# Altium PCB waffling80-MXHS.PcbDoc (part 4 of 4)
Units mm, origin at the board's own origin, x right, y up, seen from the top; angles counter-clockwise.
Board outline 343.71 x 124.25 mm, 2 copper layers (Component Side, Bottom Layer), stack 1.171 mm thick; 236 components, 142 nets, 2180 pads, 184 vias.
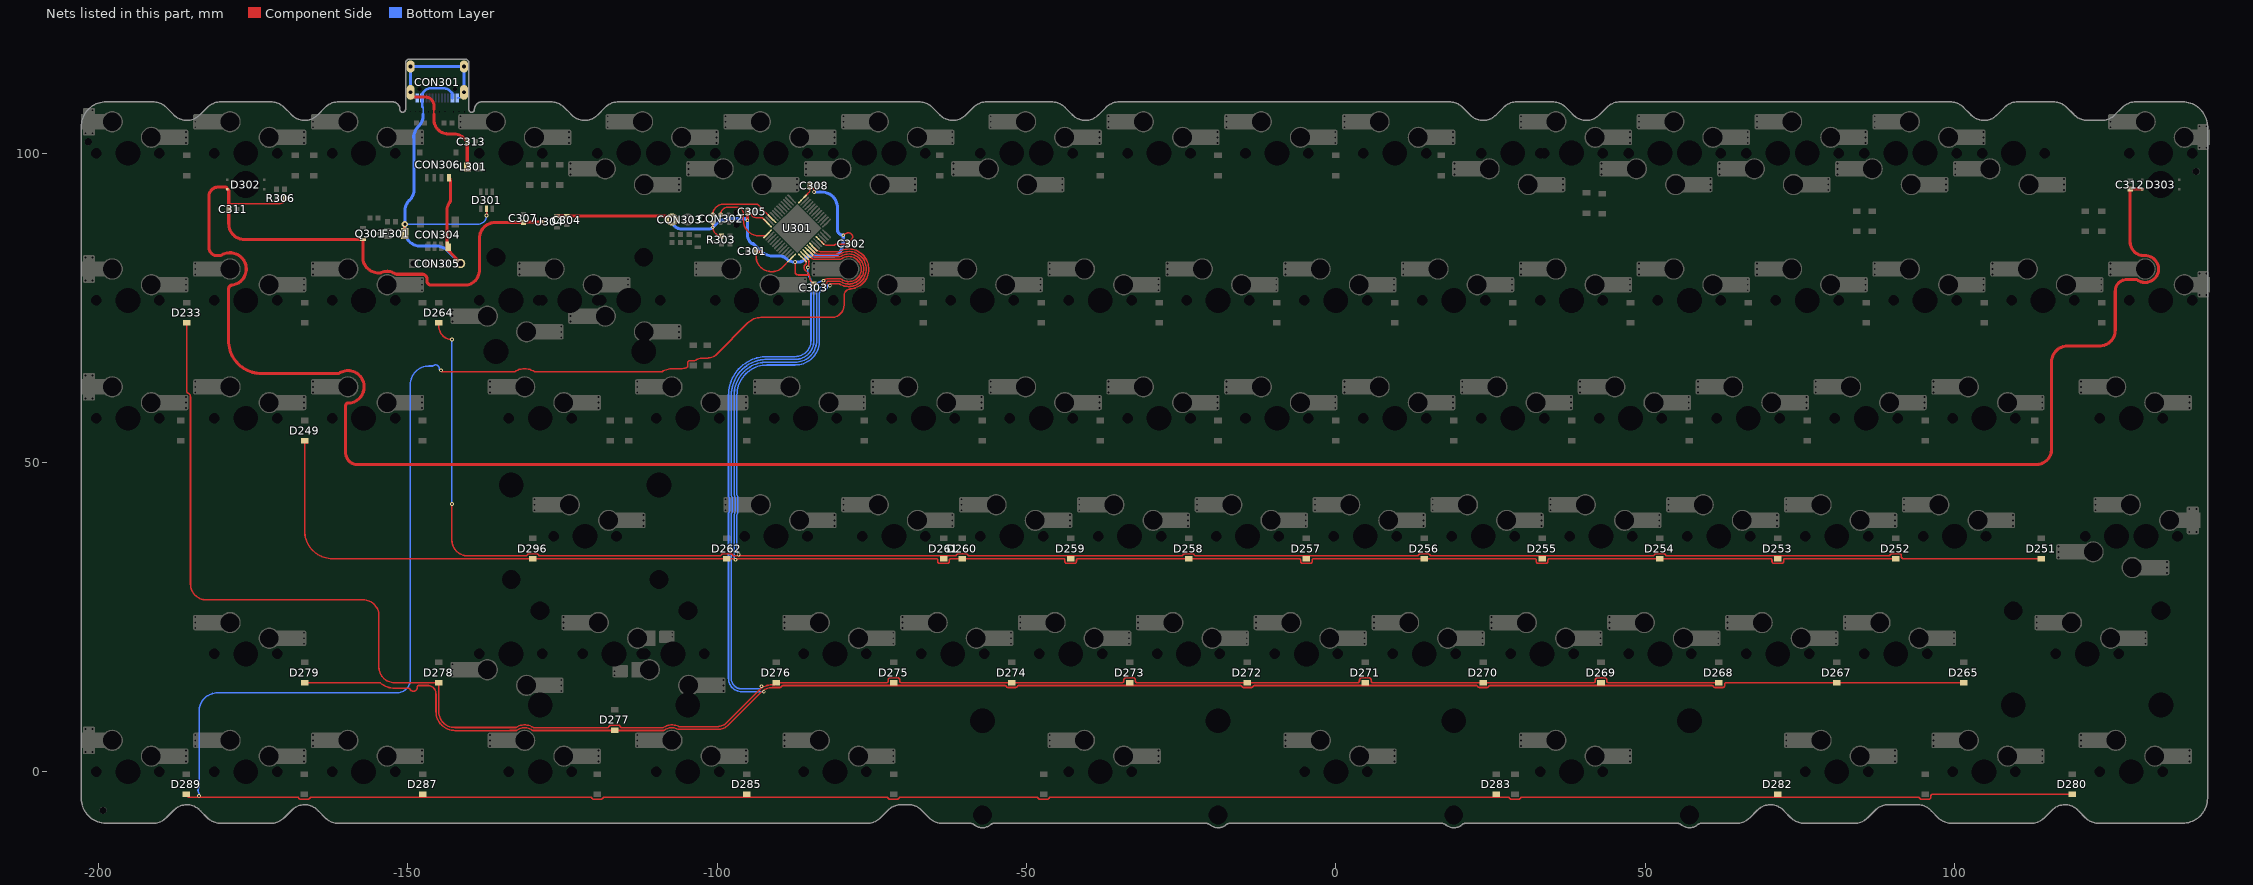
[diagram p4: the nets of this part, all layers, seen from the top]

## Via types
v1: diameter 0.6, hole 0.3, Component Side to Bottom Layer, tented both sides, 158 vias
v2: diameter 0.6, hole 0.3, Component Side to Bottom Layer, tented bottom, 25 vias
v3: diameter 1, hole 0.5, Component Side to Bottom Layer, tented both sides, 1 vias

## Nets (pads, with @x,y where several pads share a name; then routed paths per layer and width w, separated by ;. In a path a pad name is that pad's centre, name@x,y a point inside that pad or via, vN(x,y) a via of type N, cw(c..) or ccw(c..) an arc to the next point about the centre after c; other vN are vias at no path point) (continued)
PC13: D265.2 D267.2 D269.2 D271.2 D273.2 D275.2 D277.2 D279.2 U301.2 | length 364.1
  Component Side w0.254: D279.2@-166.688,14.415 -154.574,14.415 cw(c-154.575,14.161) -154.409,14.353 ccw(c-152.146,16.955) -152.146,13.507 -149.904,13.507 cw(c-149.905,13.253) -149.679,13.37 ccw(c-149.122,13.658) -148.496,13.694 cw(c-148.243,13.707) -148.244,13.961 -146.67,13.961 cw(c-146.671,13.707) -146.642,13.959 ; -146.642,13.959 cw(c-146.812,12.612) -145.454,12.612 -145.454,9.702 ccw(c-142.46,9.702) -142.667,6.715 cw(c-142.682,6.461) -142.631,6.71 ccw(c-142.113,9.196) -142.113,6.656 -133.782,6.656 ccw(c-133.783,6.91) -133.747,6.659 cw(c-133.509,5.08) -133.509,6.677 -132.501,6.677 ccw(c-132.503,6.931) -132.352,6.727 cw(c-131.128,5.079) -129.904,6.727 ccw(c-129.754,6.931) -129.767,6.678 ccw(c-129.738,7.295) -129.738,6.677 -108.689,6.677 ccw(c-108.69,6.931) -108.539,6.727 cw(c-107.315,5.079) -106.345,6.888 ccw(c-106.226,7.112) -106.227,6.858 -99.97,6.858 ccw(c-99.97,9.398) -98.174,7.602 -92.887,12.889 cw(c-91.091,11.093) -91.091,13.633 -89.878,13.633 ccw(c-89.878,13.96) -89.583,13.819 cw(c-89.355,13.707) -89.356,13.961 -53.52,13.961 cw(c-53.521,13.707) -53.292,13.818 ccw(c-52.998,13.96) -52.998,13.633 -51.778,13.633 ccw(c-51.778,13.96) -51.483,13.818 cw(c-51.255,13.707) -51.256,13.961 -15.42,13.961 cw(c-15.421,13.707) -15.192,13.818 ccw(c-14.898,13.96) -14.898,13.633 -13.678,13.633 ccw(c-13.678,13.96) -13.383,13.819 cw(c-13.155,13.707) -13.156,13.961 22.68,13.961 cw(c22.679,13.707) 22.908,13.818 ccw(c23.202,13.96) 23.202,13.633 24.422,13.633 ccw(c24.422,13.96) 24.717,13.818 cw(c24.945,13.707) 24.944,13.961 60.78,13.961 cw(c60.779,13.707) 61.008,13.818 ccw(c61.302,13.96) 61.302,13.633 62.522,13.633 ccw(c62.522,13.96) 62.817,13.819 ccw(c62.522,13.96) 62.849,13.96 62.849,14.161 cw(c63.103,14.161) 63.103,14.415 D267.2@80.962,14.415 D265.2@101.514,14.415 ; U301.2@-85.699,83.252 ccw(c-84.929,83.252) -85.699,83.24 ccw(c-84.929,83.252) -85.698,83.219 -85.308,82.829 cw(c-85.646,82.492) -85.169,82.492 cw(c-85.646,82.492) -85.176,82.41 -85.176,81.94 cw(c-85.75,81.94) -85.202,81.77 cw(c-85.75,81.94) v1(-85.344,81.534)
  Bottom Layer w0.254: -95.217,66.204 ccw(c-91.953,60.911) -96.12,65.526 cw(c-96.289,65.715) -96.134,65.514 ccw(c-95.704,64.952) -96.206,65.452 ccw(c-95.883,65.132) -96.227,65.429 cw(c-96.418,65.596) -96.242,65.413 ccw(c-91.953,60.911) -97.36,63.981 ccw(c-91.953,60.911) -98.171,60.911 -98.171,44.487 cw(c-98.637,44.068) -98.011,44.065 -98.011,42.29 cw(c-98.637,42.29) -98.171,41.872 -98.171,15.047 ccw(c-97.717,15.047) -98.17,15.023 ccw(c-96.049,15.076) -98.159,14.847 ccw(c-96.049,15.076) -96.278,12.966 ccw(c-96.049,15.076) -96.102,12.955 ccw(c-96.078,13.408) -96.078,12.954 v1(-92.456,12.954) ; -95.189,66.22 cw(c-91.953,60.911) -94.282,66.676 cw(c-91.953,60.911) -93.69,66.881 cw(c-91.953,60.911) -93.627,66.899 ccw(c-93.697,67.144) -93.606,66.906 -93.584,66.915 cw(c-93.325,66.256) -93.435,66.955 cw(c-93.363,66.507) -93.406,66.959 ccw(c-93.431,67.212) -93.375,66.964 cw(c-91.953,60.911) -92.361,67.116 ccw(c-92.379,67.369) -92.351,67.116 -92.287,67.124 cw(c-92.203,66.421) -92.205,67.129 ; -92.204,67.129 -87.377,67.129 ccw(c-87.377,69.669) -84.837,69.669 -84.837,79.32 ccw(c-85.537,79.32) -85.042,79.815 cw(c-84.312,80.545) -85.343,80.496 cw(c-84.312,80.545) -85.344,80.545 v1(-85.344,81.534)
PC14: D233.2 D268.2 D270.2 D272.2 D274.2 D276.2 D278.2 U301.3 | length 414.7
  Component Side w0.203: U301.3@-85.345,83.606 -84.812,83.073 ccw(c-84.228,83.657) -84.228,82.831 -80.044,82.831 cw(c-78.74,81.279) -76.81,80.663 cw(c-78.74,81.279) -77.833,79.468 cw(c-78.74,81.279) -78.182,79.331 cw(c-78.74,81.279) -78.74,79.253 cw(c-78.74,81.279) -78.991,79.268 cw(c-78.74,81.279) -79.382,79.357 cw(c-78.74,81.279) -79.495,79.399 cw(c-78.74,81.279) -79.714,79.502 cw(c-78.74,81.279) -80.044,79.728 -81.952,79.728 ccw(c-81.952,78.523) v1(-82.804,79.375)
  Component Side w0.254: D233.2@-185.737,72.565 -185.737,61.469 ccw(c-185.483,61.47) -185.569,61.231 cw(c-185.78,60.627) -185.14,60.627 -185.14,30.338 ccw(c-182.6,30.338) -182.6,27.798 -157.226,27.798 cw(c-157.226,25.258) -154.686,25.258 -154.686,16.955 ccw(c-152.146,16.955) -152.146,14.415 D278.2@-145,14.415 -145,9.702 ccw(c-142.46,9.702) -142.46,7.162 -132.525,7.162 ccw(c-132.645,7.385) -132.506,7.172 cw(c-131.128,5.079) -129.749,7.172 ccw(c-129.611,7.385) -129.612,7.131 -117.746,7.131 ccw(c-117.747,7.385) -117.507,7.305 cw(c-117.196,7.202) -117.196,7.529 -115.976,7.529 cw(c-115.976,7.202) -115.665,7.304 ccw(c-115.425,7.385) -115.426,7.131 -108.832,7.131 ccw(c-108.833,7.385) -108.694,7.172 cw(c-107.315,5.079) -106.227,7.337 ccw(c-106.118,7.566) -106.119,7.312 -99.97,7.312 ccw(c-99.97,9.398) -98.494,7.924 -93.209,13.209 cw(c-91.091,11.093) -91.091,14.087 -90.742,14.087 ccw(c-90.742,14.341) -90.563,14.161 -90.559,14.166 ccw(c-90.739,14.345) -90.534,14.194 -90.448,14.312 cw(c-90.243,14.161) -90.244,14.415 -72.629,14.415 ccw(c-72.629,14.669) -72.375,14.669 -72.375,14.87 cw(c-72.048,14.87) -72.048,15.197 -70.828,15.197 cw(c-70.828,14.87) -70.501,14.87 -70.501,14.669 ccw(c-70.247,14.669) -70.247,14.415 D274.2@-52.388,14.415 -34.529,14.415 ccw(c-34.529,14.669) -34.275,14.669 -34.275,14.87 cw(c-33.948,14.87) -33.948,15.197 -32.728,15.197 cw(c-32.728,14.87) -32.401,14.87 -32.401,14.669 ccw(c-32.147,14.669) -32.147,14.415 D272.2@-14.288,14.415 3.571,14.415 ccw(c3.571,14.669) 3.825,14.669 3.825,14.87 cw(c4.152,14.87) 3.825,14.873 cw(c4.152,14.87) 4.152,15.197 5.372,15.197 cw(c5.372,14.87) 5.699,14.87 5.699,14.669 ccw(c5.953,14.669) 5.953,14.415 D270.2@23.812,14.415 41.671,14.415 ccw(c41.671,14.669) 41.925,14.669 41.925,14.87 cw(c42.252,14.87) 42.252,15.197 43.472,15.197 cw(c43.472,14.87) 43.799,14.87 43.799,14.669 ccw(c44.053,14.669) 44.053,14.415 D268.2@61.912,14.415
  Bottom Layer w0.254: -96.015,65 cw(c-91.953,60.911) -95.998,65.017 ; -95.883,65.132 cw(c-95.704,64.952) -95.842,65.165 ; -93.364,66.507 ccw(c-93.325,66.256) -93.417,66.493 -93.461,66.476 cw(c-93.553,66.712) -93.485,66.468 ccw(c-91.953,60.911) -93.567,66.444 ccw(c-91.953,60.911) -93.858,66.351 ccw(c-91.953,60.911) -95.842,65.165 ; -93.363,66.507 ccw(c-93.364,66.761) -93.306,66.514 cw(c-91.953,60.911) -92.792,66.614 cw(c-91.953,60.911) -92.321,66.663 ccw(c-92.338,66.917) -92.309,66.664 -92.232,66.673 cw(c-92.203,66.421) -92.204,66.675 -87.377,66.675 ccw(c-87.377,69.669) -84.383,69.669 -84.383,77.796 cw(c-82.804,77.796) v1(-82.804,79.375) ; v1(-92.837,13.843) -92.837,13.581 -93.01,13.408 -96.078,13.408 ccw(c-96.102,12.955) -96.09,13.408 cw(c-96.049,15.076) -97.717,15.035 ccw(c-98.17,15.023) -97.717,15.047 -97.717,41.724 ccw(c-98.637,42.29) -97.557,42.29 -97.557,44.064 ccw(c-98.637,44.068) -97.717,44.635 -97.717,60.911 cw(c-91.953,60.911) -96.334,64.657 cw(c-91.953,60.911) -95.998,65.017 ; -95.998,65.018 cw(c-91.953,60.911) -95.842,65.165
PC15: D249.2 D252.2 D254.2 D256.2 D258.2 D260.2 D262.2 D296.2 U301.4 | length 353.7
  Component Side w0.203: U301.4@-84.992,83.959 -84.415,83.382 ; -84.414,83.382 ccw(c-84.057,83.74) -84.057,83.234 -80.184,83.234 cw(c-78.74,81.279) -76.426,80.541 cw(c-78.74,81.279) -76.925,79.664 cw(c-78.74,81.279) -77.406,79.249 cw(c-78.74,81.279) -77.652,79.107 cw(c-78.74,81.279) -77.953,78.981 cw(c-78.74,81.279) -78.07,78.944 cw(c-78.182,79.331) -78.073,78.943 cw(c-78.74,81.279) -78.15,78.922 cw(c-78.74,81.279) -78.496,78.862 cw(c-78.74,81.279) -78.709,78.85 cw(c-78.74,81.279) -78.739,78.85 cw(c-78.74,81.279) -78.93,78.857 cw(c-78.74,81.279) -79.039,78.868 cw(c-78.991,79.268) -79.042,78.869 cw(c-78.74,81.279) -79.508,78.974 cw(c-79.382,79.357) -79.511,78.975 cw(c-78.74,81.279) -79.827,79.106 cw(c-78.74,81.279) -79.906,79.148 cw(c-79.714,79.502) -79.908,79.149 cw(c-78.74,81.279) -80.184,79.325 -81.952,79.325 ccw(c-81.952,78.523) -82.21,79.282 cw(c-82.804,79.375) -82.752,78.776 ccw(c-81.965,78.486) v1(-82.804,78.486)
  Component Side w0.254: D249.2@-166.283,53.111 -166.335,53.187 D249.2@-166.688,53.515 -166.688,38.963 ccw(c-162.19,38.963) -162.19,34.465 D296.2@-129.789,34.465 D262.2@-98.431,34.465 -77.638,34.465 -77.638,34.471 -70.957,34.471 cw(c-70.958,34.217) -70.926,34.469 ccw(c-70.866,34.919) -70.866,34.465 -64.604,34.465 cw(c-64.604,34.211) -64.35,34.211 -64.35,34.01 ccw(c-64.023,34.01) -64.023,33.683 -62.803,33.683 ccw(c-62.803,34.01) -62.476,34.01 -62.476,34.211 cw(c-62.222,34.211) -62.222,34.465 D260.2@-60.413,34.465 -44.054,34.465 cw(c-44.054,34.211) -43.8,34.211 -43.8,34.01 ccw(c-43.473,34.01) -43.473,33.683 -42.253,33.683 ccw(c-42.253,34.01) -41.926,34.01 -41.926,34.211 cw(c-41.672,34.211) -41.672,34.465 D258.2@-23.813,34.465 -5.954,34.465 cw(c-5.954,34.211) -5.7,34.211 -5.7,34.01 ccw(c-5.373,34.01) -5.373,33.683 -4.153,33.683 ccw(c-4.153,34.01) -3.826,34.01 -3.826,34.211 cw(c-3.572,34.211) -3.572,34.465 D256.2@14.287,34.465 32.146,34.465 cw(c32.146,34.211) 32.4,34.211 32.4,34.01 ccw(c32.727,34.01) 32.727,33.683 33.947,33.683 ccw(c33.947,34.01) 34.274,34.01 34.274,34.211 cw(c34.528,34.211) 34.528,34.465 D254.2@52.387,34.465 70.246,34.465 cw(c70.246,34.211) 70.5,34.211 70.5,34.01 ccw(c70.827,34.01) 70.827,33.683 72.047,33.683 ccw(c72.047,34.01) 72.374,34.01 72.374,34.211 cw(c72.628,34.211) 72.628,34.465 D252.2@90.487,34.465
  Bottom Layer w0.254: v1(-97.028,34.29) cw(c-96.461,34.857) -97.263,34.857 -97.263,41.607 ccw(c-98.637,42.29) -97.103,42.29 -97.103,44.063 ccw(c-98.637,44.068) -97.263,44.752 -97.263,60.911 cw(c-91.953,60.911) -96.233,64.054 cw(c-91.953,60.911) -95.339,65.002 cw(c-91.953,60.911) -91.953,66.221 -87.377,66.221 ccw(c-87.377,69.669) -84.348,68.021 ccw(c-87.377,69.669) -83.929,69.669 -83.929,77.361 cw(c-82.804,77.361) v1(-82.804,78.486)
PF0: D251.2 D253.2 D255.2 D257.2 D259.2 D261.2 D264.2 U301.5 | length 369.8
  Component Side w0.203: U301.5@-84.638,84.313 -84.418,84.092 ccw(c-83.319,85.191) -84.235,83.936 ccw(c-83.319,85.191) -83.319,83.637 -80.311,83.637 cw(c-78.74,81.279) -76.042,80.418 ; v1(-81.788,78.613) cw(c-81.479,78.613) -81.479,78.922 -80.311,78.922 ccw(c-78.74,81.279) -80.103,78.795 ccw(c-79.714,79.502) -80.099,78.794 ccw(c-78.74,81.279) -80.008,78.746 ccw(c-79.827,79.106) -80.006,78.745 ccw(c-78.74,81.279) -79.64,78.593 ccw(c-79.382,79.357) -79.637,78.592 ccw(c-79.508,78.974) -79.635,78.591 ccw(c-78.74,81.279) -79.427,78.531 ccw(c-78.74,81.279) -79.093,78.469 ccw(c-78.991,79.268) -79.089,78.468 ccw(c-78.74,81.279) -78.963,78.455 ccw(c-78.93,78.857) -78.961,78.455 ccw(c-78.74,81.279) -78.74,78.447 ; -78.74,78.447 ccw(c-78.74,79.253) -78.738,78.447 ccw(c-78.74,81.279) -78.705,78.447 ccw(c-78.709,78.85) -78.703,78.447 ccw(c-78.74,81.279) -78.456,78.461 ccw(c-78.496,78.862) -78.454,78.461 ccw(c-78.74,81.279) -78.053,78.531 ccw(c-78.15,78.922) -78.051,78.532 ccw(c-78.74,81.279) -77.962,78.555 ccw(c-78.182,79.331) -77.959,78.557 ccw(c-78.74,81.279) -77.823,78.599 ccw(c-77.953,78.981) -77.822,78.6 ccw(c-78.74,81.279) -77.472,78.746 ccw(c-78.74,81.279) -77.186,78.911 ccw(c-77.406,79.249) -77.184,78.912 ccw(c-78.74,81.279) -76.625,79.396 ; -76.624,79.397 ccw(c-78.74,81.279) -76.342,79.771 ; -76.342,79.772 ccw(c-78.74,81.279) -76.042,80.417
  Component Side w0.254: D264.2@-145,72.565 -145,72.008 ccw(c-142.882,72.008) v1(-142.882,69.889) ; v1(-142.875,43.307) -142.888,43.294 -142.888,37.459 ccw(c-140.348,37.459) -140.348,34.919 -130.92,34.919 ccw(c-130.922,35.173) -130.693,35.062 cw(c-130.399,34.92) -130.399,35.247 -129.178,35.247 cw(c-129.178,34.92) -128.884,35.061 ccw(c-128.655,35.173) -128.657,34.919 -99.562,34.919 ccw(c-99.564,35.173) -99.335,35.062 cw(c-99.041,34.92) -99.041,35.247 -97.821,35.247 cw(c-97.821,34.92) -97.526,35.062 ccw(c-97.297,35.173) -97.299,34.919 -79.064,34.919 ccw(c-79.065,35.173) -79.033,34.921 cw(c-78.973,34.471) -78.973,34.925 -70.866,34.925 -70.866,34.919 -61.545,34.919 ccw(c-61.546,35.173) -61.318,35.062 cw(c-61.023,34.92) -61.163,35.216 cw(c-61.023,34.92) -61.023,35.247 -59.803,35.247 cw(c-59.803,34.92) -59.508,35.062 ccw(c-59.28,35.173) -59.281,34.919 -24.945,34.919 ccw(c-24.946,35.173) -24.718,35.062 cw(c-24.423,34.92) -24.423,35.247 -23.203,35.247 cw(c-23.203,34.92) -22.908,35.062 ccw(c-22.68,35.173) -22.681,34.919 13.155,34.919 ccw(c13.154,35.173) 13.382,35.062 cw(c13.677,34.92) 13.677,35.247 14.897,35.247 cw(c14.897,34.92) 15.192,35.061 ccw(c15.42,35.173) 15.419,34.919 51.255,34.919 ccw(c51.254,35.173) 51.482,35.062 cw(c51.777,34.92) 51.777,35.247 52.997,35.247 cw(c52.997,34.92) 53.292,35.062 ccw(c53.52,35.173) 53.519,34.919 89.355,34.919 ccw(c89.354,35.173) 89.582,35.062 cw(c89.877,34.92) 89.877,35.247 91.097,35.247 cw(c91.097,34.92) 91.424,34.92 91.424,34.719 ccw(c91.678,34.719) 91.678,34.465 D251.2@114,34.465
  Bottom Layer w0.254: v1(-142.882,69.889) -142.885,69.886 -142.885,43.317 v1(-142.875,43.307) ; v1(-96.536,35.14) cw(c-95.875,35.8) -96.809,35.8 -96.809,41.508 ccw(c-98.637,42.29) -96.649,42.29 -96.649,44.062 ccw(c-98.637,44.068) -96.809,44.851 -96.809,60.911 cw(c-91.953,60.911) -91.953,65.767 -87.377,65.767 ccw(c-87.377,69.669) -84.056,67.62 ccw(c-87.377,69.669) -83.475,69.669 -83.475,77.275 cw(c-82.136,77.275) -83.442,77.567 cw(c-82.804,77.361) -83.127,77.949 ccw(c-82.804,78.486) -82.19,78.612 cw(c-82.136,77.275) -82.136,78.613 v1(-81.788,78.613)
PF1: D280.2 D282.2 D283.2 D285.2 D287.2 D289.2 U301.6 | length 502.6
  Component Side w0.203: v1@-144.642,64.689 -132.728,64.689 cw(c-131.128,62.229) -129.527,64.689 -108.916,64.689 cw(c-107.315,62.229) -107.402,65.163 cw(c-107.375,64.281) -107.398,65.163 cw(c-107.315,62.229) -107.244,65.163 -105.854,65.163 ccw(c-105.854,67.275) -104.773,65.461 -104.773,66.13 cw(c-104.471,66.13) -104.471,66.432 -103.655,66.432 cw(c-102.21,64.358) -102.21,66.886 -101.6,66.886 ; -77.291,78.386 cw(c-78.74,81.279) -77.691,78.218 cw(c-77.953,78.981) -77.693,78.217 cw(c-78.74,81.279) -77.847,78.169 cw(c-78.182,79.331) -77.852,78.168 cw(c-78.74,81.279) -77.953,78.141 cw(c-78.15,78.922) -77.956,78.14 cw(c-78.74,81.279) -78.413,78.06 cw(c-78.496,78.862) -78.416,78.06 cw(c-78.74,81.279) -78.578,78.047 ccw(c-78.413,76.971) -79.502,76.971 -79.502,75.461 cw(c-81.516,75.461) -81.516,73.448 -92.934,73.448 ccw(c-92.934,70.479) -95.032,72.579 -100.106,67.505 cw(c-101.6,68.997) -101.322,66.904 -101.439,66.904 -101.452,66.891 ; -77.291,78.386 ccw(c-78.74,81.279) -76.965,78.574 ccw(c-77.406,79.249) -76.963,78.575 ccw(c-78.74,81.279) -76.324,79.127 ccw(c-76.925,79.664) -76.322,79.129 ccw(c-78.74,81.279) -76.001,79.556 ; -76,79.557 ccw(c-78.74,81.279) -75.995,79.566 ccw(c-78.74,81.279) -75.658,80.295 ccw(c-76.81,80.663) -75.657,80.296 ccw(c-78.74,81.279) -75.619,82.132 ccw(c-78.74,81.279) -80.428,84.041 -83.128,84.041 cw(c-83.128,84.991) -83.355,84.068 cw(c-83.079,85.44) U301.6@-83.895,84.303 ; -101.6,66.886 ccw(c-101.6,68.997) -101.452,66.891 ; -101.6,66.886 ccw(c-101.6,68.997) -101.452,66.891 ; U301.6@-83.895,84.303 cw(c-83.079,85.44) -84.069,84.451 U301.6@-84.285,84.666 -84.258,84.666 U301.6@-83.895,84.303
  Component Side w0.254: D289.2@-185.796,-3.635 ccw(c-185.342,-3.635) -185.342,-4.089 -167.877,-4.089 cw(c-167.879,-4.343) -167.65,-4.232 ccw(c-167.356,-4.09) -167.356,-4.417 -166.135,-4.417 ccw(c-166.135,-4.09) -165.841,-4.232 cw(c-165.612,-4.343) -165.614,-4.089 -146.665,-4.089 ccw(c-146.665,-3.835) -146.647,-4.088 -146.529,-4.08 cw(c-146.511,-4.334) -146.476,-4.082 ccw(c-146.377,-3.381) -146.377,-4.089 -120.506,-4.089 cw(c-120.508,-4.343) -120.279,-4.232 ccw(c-119.985,-4.09) -119.985,-4.417 -118.764,-4.417 ccw(c-118.764,-4.09) -118.47,-4.232 cw(c-118.241,-4.343) -118.243,-4.089 -72.627,-4.089 cw(c-72.629,-4.343) -72.4,-4.232 ccw(c-72.106,-4.09) -72.365,-4.289 ccw(c-72.106,-4.09) -72.106,-4.417 -70.885,-4.417 ccw(c-70.885,-4.09) -70.591,-4.232 cw(c-70.362,-4.343) -70.364,-4.089 -48.373,-4.089 cw(c-48.374,-4.343) -48.145,-4.232 ccw(c-47.851,-4.09) -47.851,-4.417 -46.631,-4.417 ccw(c-46.631,-4.09) -46.336,-4.232 cw(c-46.108,-4.343) -46.109,-4.089 27.824,-4.089 cw(c27.823,-4.343) 28.052,-4.232 ccw(c28.346,-4.09) 28.346,-4.417 29.566,-4.417 ccw(c29.566,-4.09) 29.861,-4.232 cw(c30.089,-4.343) 30.088,-4.089 94.118,-4.089 cw(c94.117,-4.343) 94.345,-4.232 ccw(c94.64,-4.09) 94.64,-4.417 95.86,-4.417 ccw(c95.86,-4.09) 96.173,-4.186 ccw(c95.86,-4.09) 96.187,-4.09 96.187,-3.889 cw(c96.441,-3.889) 96.441,-3.635 D280.2@119.062,-3.635
  Bottom Layer w0.254: v1(-183.753,-3.887) -183.76,-3.881 -183.76,-3.509 ccw(c-184.014,-3.51) -183.809,-3.36 cw(c-183.306,-2.986) -183.809,-2.612 cw(c-183.306,-2.986) -183.792,-2.59 ccw(c-183.989,-2.431) -183.735,-2.432 -183.735,6.228 -183.76,6.252 -183.76,9.779 cw(c-180.766,9.779) -183.477,11.048 cw(c-180.766,9.779) -182.88,11.899 cw(c-180.766,9.779) -182.351,12.319 cw(c-180.766,9.779) -180.766,12.773 -164.719,12.773 ccw(c-164.719,14.859) -164.407,12.796 cw(c-164.341,12.347) -164.34,12.801 -151.692,12.801 ccw(c-151.692,14.887) -149.606,14.887 -149.606,62.611 cw(c-146.612,62.611) -146.612,65.605 -145.974,65.605 cw(c-145.542,65.151) -145.344,65.746 ; -145.55,65.778 cw(c-145.542,65.151) -144.915,65.172 cw(c-145.542,65.151) -144.915,65.146 ccw(c-144.653,65.159) v1(-144.653,64.897)
RAW: CON301.A4B9 CON301.B4A9 CON304.1 CON305.1 CON306.1 D301.5 F301.2 | length 72.6
  Component Side w0.203: v1(-137.287,89.916) D301.5@-137.287,91.03
  Component Side w0.5: F301.2@-150.542,86.995 -150.519,87.019 -150.519,88.495 v3(-150.495,88.519) ; CON306.1@-143.361,96.05 cw(c-143.933,95.478) -143.124,95.478 -143.124,92.42 cw(c-143.804,92.42) -143.22,92.071 ; CON305.1@-141.478,82.169 -143.611,84.454 -143.641,84.773 CON304.1@-143.661,84.979 -143.661,90.879 cw(c-141.828,90.879) -143.323,91.939 ; -143.323,91.939 ccw(c-143.804,92.42) -143.22,92.071 ; -143.323,91.939 cw(c-141.828,90.879) -143.22,92.071
  Bottom Layer w0.254: v3(-150.495,88.519) -138.684,88.519 ccw(c-138.684,89.916) v1(-137.287,89.916) ; -147.638,107.446 -147.539,107.446 -147.539,106.3
  Bottom Layer w0.4: -147.638,107.446 cw(c-147.47,107.613) -147.707,107.613 CON301.A4B9@-147.707,108.92 -147.707,109.261 cw(c-146.516,109.261) -147.607,109.739 -147.557,109.789 -147.557,109.811 -147.213,110.155 cw(c-146.382,109.324) -146.382,110.499 -144.183,110.499 cw(c-144.183,109.201) -143.265,110.119 -142.885,109.739 -142.807,109.739 CON301.B4A9@-142.807,108.92
  Bottom Layer w0.5: -147.539,106.3 -147.539,106.137 cw(c-150.079,106.137) -148.283,104.341 -148.323,104.301 ccw(c-146.527,102.505) -149.067,102.505 -148.983,102.421 -148.983,94.211 cw(c-151.523,94.211) -149.727,92.415 -149.751,92.391 ccw(c-147.955,90.595) -150.495,90.595 v3(-150.495,88.519) -150.495,87.519 ccw(c-147.955,87.519) -149.751,85.723 ccw(c-147.955,87.519) -147.955,84.979 -145.34,84.979 cw(c-145.34,82.439) -143.544,84.235 CON305.1@-141.478,82.169
SHIELD: C313.2 CON301.A1B12 CON301.B1A12 CON301.S1 L301.2 | length 38.7
  Component Side w0.254: -145.796,106.299 -145.796,107.061
  Component Side w0.5: CON301.S1@-149.577,109.835 ccw(c-148.834,109.835) -148.834,109.093 -147.193,109.093 cw(c-147.193,107.696) -145.796,107.696 -145.796,107.061 ; -145.796,106.299 -145.796,105.41 ccw(c-143.51,105.41) -143.51,103.124 -142.7,103.124 cw(c-142.7,100.584) -140.904,102.38 C313.2@-140.399,101.876 -140.399,97.871 ccw(c-140.285,97.871) L301.2@-140.366,97.79
  Bottom Layer w0.254: CON301.S1@-149.577,109.835 ccw(c-148.662,109.835) -148.662,108.92 CON301.A1B12@-148.507,108.92 ; CON301.B1A12@-142.007,108.92 -141.852,108.92 ccw(c-141.852,109.835) CON301.S1@-140.937,109.835
  Bottom Layer w0.5: CON301.S1@-149.577,109.835 CON301.S1@-149.577,114.015 CON301.S1@-140.937,114.015 CON301.S1@-140.937,109.835
SWCLK: CON302.4 U301.37 | length 11.3
  Component Side w0.254: CON302.4@-99.441,90.043 cw(c-98.189,90.043) -98.189,91.295 -96.883,91.295 cw(c-96.883,90.17) -95.758,90.17 -95.758,89.154 ccw(c-93.218,89.154) -93.633,86.648 -92.167,86.648 ccw(c-92.167,86.788) -92.129,86.653 -92.033,86.75 ccw(c-92.167,86.788) U301.37@-92.027,86.788
SWDIO: CON302.2 U301.34 | length 11.3
  Component Side w0.254: CON302.2@-100.711,90.043 cw(c-99.005,90.043) -100.709,90.133 cw(c-99.005,90.043) -99.095,91.747 cw(c-99.005,90.043) -99.005,91.749 -93.488,91.749 U301.34@-91.32,89.581
VCC: C307.2 C311.2 C312.2 D302.1 D303.1 Q301.2 R306.1 U304.3 | length 492.7
  Component Side w0.203: -178.963,91.842 -170.764,91.842 ccw(c-170.764,92.71) R306.1@-169.896,92.71
  Component Side w0.5: U304.3@-128.319,88.9 -131.225,88.9 ccw(c-131.225,88.806) C307.2@-131.319,88.806 -135.89,88.806 ccw(c-135.89,86.266) -138.43,86.266 -138.43,81.153 cw(c-140.97,81.153) -140.317,78.698 cw(c-140.444,79.182) -140.442,78.682 -146.246,78.682 cw(c-146.246,79.375) -146.862,79.058 cw(c-146.417,79.286) -146.917,79.286 -146.917,79.677 ccw(c-147.68,79.677) -147.68,80.439 -151.832,80.439 cw(c-151.831,80.939) -152.114,80.527 ccw(c-153.352,78.739) -154.305,80.695 cw(c-154.523,81.145) -154.521,80.645 -154.743,80.645 cw(c-154.743,83.185) -157.283,83.185 Q301.2@-157.283,86.045 -176.423,86.045 cw(c-176.423,88.585) -178.963,88.585 -178.963,91.842 -178.963,93.932 ccw(c-179.213,93.932) D302.1@-179.213,94.182 ccw(c-179.577,94.182) -179.577,94.546 -180.594,94.546 ccw(c-180.594,92.964) -182.176,92.964 -182.176,84.761 ccw(c-180.848,84.761) -182.145,84.477 ccw(c-180.848,84.761) -180.848,83.433 -180.26,83.433 cw(c-178.752,81.279) -179.307,83.849 cw(c-179.185,83.285) -179.305,83.85 cw(c-178.752,81.279) -178.312,83.871 cw(c-178.752,81.279) -177.575,78.929 cw(c-177.834,79.444) -177.577,78.928 cw(c-178.752,81.279) -178.502,78.662 cw(c-178.752,81.279) -178.556,78.658 -178.556,78.651 -178.552,78.648 ccw(c-178.339,78.03) -178.993,78.03 -178.993,69.706 ccw(c-173.67,69.706) -177.915,66.495 ccw(c-173.67,69.706) -173.67,64.383 -161.21,64.383 cw(c-159.702,62.229) -159.769,59.601 ccw(c-159.639,59.182) -159.902,59.533 -159.99,59.445 ccw(c-159.639,59.182) -160.078,59.182 -160.078,51.62 ccw(c-158.115,51.62) -159.477,50.206 ccw(c-158.115,51.62) -158.115,49.657 -155.361,49.657 113.157,49.657 ccw(c113.157,52.197) 115.697,52.197 115.697,66.294 cw(c118.237,66.294) 118.237,68.834 123.444,68.834 ccw(c123.444,71.374) 125.984,71.374 125.984,77.724 cw(c127.84,77.724) 127.84,79.58 129.453,79.58 ccw(c130.81,81.279) 130.354,79.153 ccw(c130.81,81.279) 130.505,79.126 ccw(c130.81,81.279) 130.675,79.109 ccw(c130.81,81.279) 130.81,79.105 ccw(c130.81,81.279) 131.051,79.118 ccw(c130.81,81.279) 131.106,79.125 ccw(c130.81,81.279) 131.169,79.134 ccw(c130.81,81.279) 132.117,79.541 ccw(c130.81,81.279) 132.551,79.976 ccw(c130.81,81.279) 130.81,83.454 ccw(c130.81,81.279) 130.626,83.447 cw(c130.626,85.676) 128.397,85.676 C312.2@128.397,94.219 130.261,94.219 cw(c130.261,94.094) D303.1@130.349,94.182
VCC3V3: C301.2 C302.2 C303.2 C304.2 C305.2 C308.2 CON302.1 CON303.2 R303.1 U301.1 U301.9 U301.24 U301.36 U301.48 U304.2 | length 104.1
  Component Side w0.203: C305.2@-95.011,90.526 -94.336,89.851 ccw(c-93.654,90.533) -93.654,89.568 -92.722,89.568 U301.36@-92.027,88.874 ; U301.24@-86.052,92.763 -85.363,93.452 ccw(c-86.292,94.381) -84.978,94.381 C308.2@-84.978,94.742 -84.553,94.317 cw(c-85.096,93.774) -84.328,93.774 v1(-84.328,93.726) ; U301.9@-83.224,85.727 -82.874,85.377 ccw(c-82.181,86.069) -82.181,85.09 -81.111,85.09 cw(c-80.645,84.709) -81.066,85.138 cw(c-80.645,84.709) -80.893,85.257 cw(c-80.645,84.709) -80.793,85.292 cw(c-80.645,84.709) -80.497,85.292 -79.007,85.292 ccw(c-79.007,85.469) C302.2@-78.882,85.344
  Component Side w0.254: CON302.1@-100.711,88.773 v1(-100.711,88.026) ccw(c-99.314,88.026) R303.1@-99.314,86.629 ; C301.2@-93.7,84.151 -93.7,83.292 ccw(c-91.269,83.292) -93.498,82.322 ccw(c-91.269,83.292) -92.239,81.063 ccw(c-91.269,83.292) -91.269,80.862 -91.071,80.862 ccw(c-91.071,83.023) -89.542,81.495 U301.48@-88.138,82.899 ; v1(-87.408,82.416) -87.408,80.804 ccw(c-86.92,80.804) -86.92,80.316 -85.138,80.316 -85.109,80.287 ; U301.1@-86.052,82.899 -85.815,82.661 ccw(c-85.176,83.3) -85.655,82.534 U301.1@-85.631,82.51 ; -85.726,81.036 -85.335,80.645 cw(c-86.019,79.962) -85.272,80.576 cw(c-86.019,79.962) -85.109,80.287 ; -85.726,81.037 cw(c-85.344,81.534) -85.787,81.09 cw(c-85.344,81.534) -85.788,81.091 cw(c-85.344,81.534) -85.971,81.534 cw(c-85.344,81.534) -85.63,82.092 -85.63,82.409 cw(c-85.176,82.41) U301.1@-85.623,82.488 ; U301.1@-85.629,82.508 cw(c-85.646,82.492) U301.1@-85.623,82.488 ; C303.2@-84.583,79.073 -84.756,79.247 cw(c-84.042,79.962) -84.877,79.393 cw(c-84.042,79.962) -85.052,79.962 ccw(c-86.019,79.962) -85.109,80.287 ; v1@-79.629,86.583 v1(-79.629,86.741) -79.578,86.792 cw(c-78.809,86.022) -78.809,87.11 ; C302.2@-79.064,85.526 ccw(c-79.064,86.104) -78.656,85.696 -78.372,85.979 ccw(c-78.74,86.487) -78.232,86.119 ; -78.767,87.114 -78.806,87.114 -78.809,87.11 ; -78.227,86.848 cw(c-78.74,86.487) -78.232,86.12 ; -78.809,87.11 cw(c-78.74,86.487) -78.767,87.113 cw(c-78.74,86.487) -78.232,86.12
  Component Side w0.5: U304.2@-125.919,89.85 -108.689,89.85 cw(c-108.689,87.907) CON303.2@-107.315,89.281 ; CON303.2@-107.315,88.773 cw(c-107.249,88.773) CON303.2@-107.249,88.839 ; v1(-95.131,89.154) -95.131,90.406 cw(c-95.011,90.406) C305.2@-95.011,90.526 ; C301.2@-93.7,84.151 ccw(c-93.36,84.491) -93.36,84.01 v1(-92.968,84.01)
  Bottom Layer w0.5: CON303.2@-107.315,89.281 ccw(c-105.791,89.281) -105.791,87.757 -101.36,87.757 ccw(c-101.36,88.675) -101.288,87.76 ccw(c-101.36,88.675) v1(-100.711,88.026) -100.073,88.664 cw(c-98.277,86.868) -98.277,89.408 -95.385,89.408 cw(c-95.385,89.154) v1(-95.131,89.154) ; v1@-95.131,89.108 -95.131,86.98 ccw(c-92.997,86.98) -94.818,85.867 ccw(c-94.107,86.106) -94.506,85.471 ccw(c-94.107,86.106) -94.262,85.372 -94.25,85.36 -94.182,85.36 ccw(c-94.107,86.106) -94.176,85.359 -94.074,85.257 -93.114,84.297 ccw(c-90.908,86.499) -91.056,83.386 ccw(c-90.908,86.499) -90.908,83.382 -89.914,83.382 cw(c-89.914,81.83) -88.816,82.928 ccw(c-87.581,84.163) -87.581,82.416 v1(-87.408,82.416) -86.811,82.416 ccw(c-86.811,83.658) -85.933,82.78 ccw(c-86.811,83.658) -85.932,82.782 ; -85.931,82.782 -85.585,83.128 cw(c-85.194,82.739) -85.583,83.13 cw(c-84.974,82.522) -85.58,83.133 cw(c-84.974,82.522) -84.974,83.382 -81.395,83.382 ccw(c-81.395,83.959) -81.293,83.391 cw(c-81.195,82.849) -81.292,83.392 ; v1(-84.328,93.726) -83.101,93.726 cw(c-83.101,91.186) -82.991,93.724 cw(c-83.101,91.186) -81.458,93.124 cw(c-83.101,91.186) -80.561,91.186 -80.561,87.673 ccw(c-79.629,87.673) v1(-79.629,86.741) -79.629,85.587 cw(c-82.169,85.587) -80.373,83.791 -80.526,83.637 cw(c-81.494,85.344) -81.278,83.394 ; -81.291,83.392 cw(c-81.195,82.849) -81.286,83.393 cw(c-81.195,82.849) -81.279,83.394
pads on no net: CON301. CON301.A8 CON301.B8 CON302.0 CON302.6 D301.1 D301.6 D302. D303. D303.2 S201. S202. S202_1. S203. S203_1. S204. S204_1. S205. S205_1. S206. S207. S208. S209. S209_1. S210. S210_1. S211. S211_1. S212. S212_1. S213. S214. S215. S216. S217. S218. S219. S220. S221. S222. S223. S224. S225. S226. S227. S228. S229. S230. S231. S232. S233. S234. S235. S236. S237. S238. S239. S240. S241. S242. S243. S244. S245. S246. S247. S248. S249. S250. S251. S251_1. S252. S253. S254. S255. S256. S257. S258. S259. S260. S261. S262. S264. S264_1. S265. S267. S268. S269. S270. S271. S272. S273. S274. S275. S276. S277. S277_1. S278. S279. S280. S281. S282. S283_2. S284. S285. S286. S287. S288. S289. S290. S294. S295. S296. STAB1. STAB3. STAB4. STAB5. STAB7. STAB9. STAB10.
copper on no net: | length 0
  Component Side w0.254: -116.586,15.62 -116.576,15.62

## Polygon pours and split planes (outlines as drawn)
GND on Bottom Layer "Bottom Layer-GND" (hatched 45Degree grid 1.397 track 0.203, remove dead copper, pour order 1): -202.963,-3.922 ccw(c-197.912,-3.922) -197.912,-8.973 -197.912,-8.975 -171.993,-8.975 ccw(c-171.993,-5.908) -169.825,-8.076 -168.871,-7.123 cw(c-166.703,-9.291) -166.703,-6.225 cw(c-166.703,-9.291) -164.535,-7.123 -163.581,-8.076 ccw(c-161.413,-5.908) -161.413,-8.975 -74.362,-8.975 -74.362,-8.97 ccw(c-74.362,-5.903) -72.194,-8.071 -71.24,-7.118 cw(c-69.072,-9.286) -69.072,-6.22 cw(c-69.072,-9.286) -66.904,-7.118 -65.95,-8.071 ccw(c-63.782,-5.903) -63.782,-8.97 -32.418,-8.97 cw(c-32.418,-8.987) -32.406,-8.975 83.998,-8.975 83.991,-8.975 ccw(c83.991,-5.908) 86.159,-8.076 87.113,-7.123 cw(c89.281,-9.291) 89.281,-6.225 cw(c89.281,-9.291) 91.449,-7.123 92.403,-8.076 ccw(c94.571,-5.908) 94.571,-8.975 94.564,-8.975 135.984,-8.975 135.984,-8.974 ccw(c135.984,-3.923) 141.035,-3.923 141.036,-3.923 141.036,103.367 141.036,103.456 ccw(c135.985,103.456) 135.985,108.507 135.985,108.509 126.701,108.509 126.733,108.51 ccw(c126.733,105.443) 124.565,107.611 123.612,106.658 cw(c121.443,108.826) 121.443,105.76 cw(c121.443,108.826) 119.275,106.658 118.322,107.611 ccw(c116.153,105.443) 116.153,108.51 116.157,108.51 45.767,108.51 45.771,108.51 ccw(c45.77,105.443) 43.602,107.611 42.649,106.658 cw(c40.481,108.826) 40.481,105.76 cw(c40.481,108.826) 38.312,106.658 37.359,107.611 ccw(c35.191,105.443) 35.191,108.51 35.194,108.51 -35.197,108.509 -35.194,108.51 ccw(c-35.194,105.443) -37.362,107.611 -38.315,106.658 cw(c-40.484,108.826) -40.484,105.76 cw(c-40.484,108.826) -42.652,106.658 -43.605,107.611 ccw(c-45.773,105.443) -45.773,108.51 -45.77,108.51 -116.158,108.51 -116.155,108.51 ccw(c-116.155,105.443) -118.323,107.611 -119.276,106.658 cw(c-121.444,108.826) -121.444,105.76 cw(c-121.444,108.826) -123.613,106.658 -124.566,107.611 ccw(c-126.734,105.443) -126.734,108.51 -126.731,108.51 -139.78,108.51 cw(c-139.78,108.922) -140.193,108.922 -140.193,114.568 ccw(c-140.787,114.568) -140.787,115.162 -149.727,115.162 ccw(c-149.727,114.552) -150.337,114.552 -150.337,108.89 cw(c-150.717,108.89) -150.717,108.51 -180.448,108.51 ccw(c-180.448,105.443) -182.616,107.611 -183.569,106.658 cw(c-185.737,108.826) -185.737,105.76 cw(c-185.737,108.826) -187.906,106.658 -188.859,107.611 ccw(c-191.027,105.443) -191.027,108.51 -197.912,108.509 ccw(c-197.912,103.458) -202.963,103.458 -202.964,103.458
GND on Component Side "Component Side-GND" (hatched 45Degree grid 1.397 track 0.203, remove dead copper, pour order 0): -202.963,-3.922 ccw(c-197.912,-3.922) -197.912,-8.973 -197.912,-8.975 -171.993,-8.975 ccw(c-171.993,-5.908) -169.825,-8.076 -168.871,-7.123 cw(c-166.703,-9.291) -166.703,-6.225 cw(c-166.703,-9.291) -164.535,-7.123 -163.581,-8.076 ccw(c-161.413,-5.908) -161.413,-8.975 -74.362,-8.975 -74.362,-8.97 ccw(c-74.362,-5.903) -72.194,-8.071 -71.24,-7.118 cw(c-69.072,-9.286) -69.072,-6.22 cw(c-69.072,-9.286) -66.904,-7.118 -65.95,-8.071 ccw(c-63.782,-5.903) -63.782,-8.97 -32.418,-8.97 cw(c-32.418,-8.987) -32.406,-8.975 83.998,-8.975 83.991,-8.975 ccw(c83.991,-5.908) 86.159,-8.076 87.113,-7.123 cw(c89.281,-9.291) 89.281,-6.225 cw(c89.281,-9.291) 91.449,-7.123 92.403,-8.076 ccw(c94.571,-5.908) 94.571,-8.975 94.564,-8.975 135.984,-8.975 135.984,-8.974 ccw(c135.984,-3.923) 141.035,-3.923 141.036,-3.923 141.036,103.367 141.036,103.456 ccw(c135.985,103.456) 135.985,108.507 135.985,108.509 126.701,108.509 126.733,108.51 ccw(c126.733,105.443) 124.565,107.611 123.612,106.658 cw(c121.443,108.826) 121.443,105.76 cw(c121.443,108.826) 119.275,106.658 118.322,107.611 ccw(c116.153,105.443) 116.153,108.51 116.157,108.51 45.767,108.51 45.771,108.51 ccw(c45.77,105.443) 43.602,107.611 42.649,106.658 cw(c40.481,108.826) 40.481,105.76 cw(c40.481,108.826) 38.312,106.658 37.359,107.611 ccw(c35.191,105.443) 35.191,108.51 35.194,108.51 -35.197,108.509 -35.194,108.51 ccw(c-35.194,105.443) -37.362,107.611 -38.315,106.658 cw(c-40.484,108.826) -40.484,105.76 cw(c-40.484,108.826) -42.652,106.658 -43.605,107.611 ccw(c-45.773,105.443) -45.773,108.51 -45.77,108.51 -116.158,108.51 -116.155,108.51 ccw(c-116.155,105.443) -118.323,107.611 -119.276,106.658 cw(c-121.444,108.826) -121.444,105.76 cw(c-121.444,108.826) -123.613,106.658 -124.566,107.611 ccw(c-126.734,105.443) -126.734,108.51 -126.731,108.51 -139.78,108.51 cw(c-139.78,108.922) -140.193,108.922 -140.193,114.568 ccw(c-140.787,114.568) -140.787,115.162 -149.727,115.162 ccw(c-149.727,114.552) -150.337,114.552 -150.337,108.89 cw(c-150.717,108.89) -150.717,108.51 -180.448,108.51 ccw(c-180.448,105.443) -182.616,107.611 -183.569,106.658 cw(c-185.737,108.826) -185.737,105.76 cw(c-185.737,108.826) -187.906,106.658 -188.859,107.611 ccw(c-191.027,105.443) -191.027,108.51 -197.912,108.509 ccw(c-197.912,103.458) -202.963,103.458 -202.964,103.458

## Other copper
Component Side:
  pour cut-out: -150.795,106.598 ccw(c-150.795,107.056) -150.337,107.056 -150.337,114.552 cw(c-149.727,114.552) -149.727,115.162 -140.787,115.162 cw(c-140.787,114.568) -140.193,114.568 -140.193,107.072 ccw(c-139.724,107.072) -139.724,106.603 -139.729,106.598
Bottom Layer:
  pour cut-out: -150.795,106.598 ccw(c-150.795,107.056) -150.337,107.056 -150.337,114.552 cw(c-149.727,114.552) -149.727,115.162 -140.787,115.162 cw(c-140.787,114.568) -140.193,114.568 -140.193,107.072 ccw(c-139.724,107.072) -139.724,106.603 -139.729,106.598

## Silkscreen, mask and mechanical layers (free items; w line width, h text height)
Top Overlay:
  drawing of 3 lines, arcs and shapes, not listed
  text "Break away" at -155.288,106.807 h0.9
  text "RESET" at -107.696,91.186 h0.75
  text "GND" at -149.352,86.106 h0.75 r270
  text "VCC" at -141.732,85.979 h0.75 r270
  text "DP" at -146.939,80.518 h0.75 r270
  text "DN" at -144.399,80.518 h0.75 r270
  text "Waffling80" at -187.858,33.162 h3.3
  text "MXHS-N Rev B2" at -186.309,31.115 h2
  text "Waffling: adj. or verb - indecisive; unable to make up one's mind; playing the safe middle ground due to one's own lack of conviction or sense of morality." at -101.092,29.21 h2.9
Bottom Overlay:
  text "< F12" at -113.756,96.831 h1.52 r90
  text "< F13" at -109.071,96.831 h1.52 r90
  text "< F12" at -94.706,96.831 h1.52 r90
  text "< F13" at -90.021,96.831 h1.52 r90
  text "< F12" at -75.656,96.831 h1.52 r90
  text "< F13" at -70.971,96.831 h1.52 r90
  text "< F13" at -51.861,96.832 h1.52 r90
  text "< F12" at -47.143,96.832 h1.52 r90
  text "< F12" at 38.582,96.831 h1.52 r90
  text "< F13" at 52.914,96.832 h1.52 r90
  text "< F12" at 57.632,96.832 h1.52 r90
  text "< F13" at 71.964,96.832 h1.52 r90
  text "< F12" at 76.682,96.832 h1.52 r90
  text "< F13" at 91.014,96.832 h1.52 r90
  text "< F12" at 95.732,96.832 h1.52 r90
  text "< F13" at 110.064,96.832 h1.52 r90
  text "< F13" at 29.101,96.741 h1.52 r90
outline:
  drawing of 154 lines, arcs and shapes, not listed
OpenTKL:
  drawing of 5534 lines, arcs and shapes, not listed
HiTek plate:
  drawing of 5676 lines, arcs and shapes, not listed
old outline:
  lines w0.1: -198.826,-8.27 -190.502,-8.27 ccw(c-190.502,-5.302) -188.403,-7.401 -187.519,-6.516 cw(c-185.737,-8.27) -183.851,-6.63 ; -198.763,-8.271 cw(c-198.763,-4.271) -202.763,-4.271 -202.763,104.262 cw(c-198.763,104.262) -198.763,108.262 -190.535,108.262 cw(c-190.535,105.196) -188.367,107.364 -187.618,106.615 ; -187.624,106.622 ccw(c-185.737,108.262) -183.956,106.508 -183.072,107.393 cw(c-180.973,105.294) -180.973,108.262 -171.485,108.262 cw(c-171.485,105.196) -169.317,107.364 -168.568,106.615 ; -183.857,-6.623 -183.108,-7.372 ccw(c-180.94,-5.204) -180.94,-8.27 -171.452,-8.27 ccw(c-171.452,-5.302) -169.353,-7.401 -168.469,-6.516 cw(c-166.688,-8.27) -164.801,-6.63 ; -168.574,106.622 ccw(c-166.687,108.262) -164.906,106.508 -164.022,107.393 cw(c-161.923,105.294) -161.923,108.262 -152.543,108.262 cw(c-152.543,107.056) -151.337,107.056 ccw(c-150.837,107.056) -150.337,107.056 -150.337,114.552 cw(c-149.727,114.552) -149.727,115.162 -140.787,115.162 cw(c-140.787,114.568) -140.193,114.568 -140.193,107.056 ccw(c-139.693,107.056) -139.193,107.056 cw(c-137.987,107.056) -137.987,108.262 -126.226,108.262 cw(c-126.226,105.196) -124.058,107.364 -123.309,106.615 ; -164.807,-6.623 -164.058,-7.372 ccw(c-161.89,-5.204) -161.89,-8.27 -75.023,-8.27 ccw(c-75.023,-5.302) -72.923,-7.401 -72.026,-6.511 cw(c-70.257,-8.253) -70.257,-5.77 -69.057,-5.77 cw(c-69.057,-8.27) -67.17,-6.63 ; -123.315,106.622 ccw(c-121.428,108.262) -119.647,106.508 -118.762,107.393 cw(c-116.663,105.294) -116.663,108.262 ; -116.758,108.262 -66.676,108.262 ; -67.176,-6.623 -66.427,-7.372 ccw(c-64.259,-5.204) -64.259,-8.27 65.467,-8.27 ccw(c65.467,-5.302) 67.567,-7.401 68.451,-6.516 cw(c70.232,-8.27) 72.119,-6.63 ; -66.711,108.262 cw(c-66.711,105.196) -64.543,107.364 -63.794,106.615 ; -63.8,106.622 ccw(c-61.913,108.262) -60.132,106.508 -59.248,107.393 cw(c-57.149,105.294) -57.149,108.262 ; -57.151,108.262 -45.104,108.262 ; -45.28,108.262 cw(c-45.28,105.196) -43.112,107.364 -42.363,106.615 ; -42.369,106.622 ccw(c-40.482,108.262) -38.701,106.508 -37.817,107.393 cw(c-35.718,105.294) -35.718,108.262 19.049,108.262 ; 19,108.262 cw(c19,105.196) 21.168,107.364 21.917,106.615 ; 21.911,106.622 ccw(c23.798,108.262) 25.579,106.508 26.463,107.393 cw(c28.562,105.294) 28.562,108.262 ; 28.574,108.262 35.642,108.262 ; 35.683,108.262 cw(c35.683,105.196) 37.851,107.364 38.6,106.615 ; 38.594,106.622 ccw(c40.481,108.262) 42.262,106.508 43.146,107.393 cw(c45.246,105.294) 45.246,108.262 100.013,108.262 ; 72.113,-6.623 72.862,-7.372 ccw(c75.03,-5.204) 75.03,-8.27 84.532,-8.27 ccw(c84.532,-5.302) 86.631,-7.401 87.516,-6.516 ; 87.516,-6.516 cw(c89.297,-8.27) 89.297,-5.77 ; 89.273,-5.77 94.127,-5.77 ; 94.127,-5.771 cw(c94.042,-8.27) 95.929,-6.63 ; 95.923,-6.623 96.672,-7.372 ccw(c98.84,-5.204) 98.84,-8.27 113.088,-8.27 ccw(c113.088,-5.302) 115.187,-7.401 116.071,-6.516 cw(c117.852,-8.27) 119.739,-6.63 ; 99.977,108.262 cw(c99.977,105.196) 102.145,107.364 102.894,106.615 ; 102.888,106.622 ccw(c104.775,108.262) 106.556,106.508 107.44,107.393 cw(c109.539,105.294) 109.539,108.262 116.646,108.262 cw(c116.646,105.196) 118.814,107.364 119.563,106.615 ; 119.528,106.655 ccw(c121.443,108.262) 121.45,105.762 123.824,105.762 ccw(c123.824,108.262) 125.572,106.474 ; 119.733,-6.623 120.482,-7.372 ccw(c122.65,-5.204) 122.65,-8.27 136.85,-8.27 ccw(c136.85,-4.27) 140.85,-4.27 140.849,104.262 ccw(c136.85,104.262) 136.85,108.262 133.349,108.262 128.589,108.262 ccw(c128.589,105.294) 126.49,107.393 125.606,106.508
Mechanical 16:
  circle w0.013: c57.213,8.255 r1.994
  circle w0.013: c61.976,8.255 r1.994
  circle w0.013: c61.976,-6.985 r1.524
  circle w0.013: c57.213,-6.985 r1.524
  circle w0.013: c-38.1,-6.985 r1.524
  circle w0.013: c-38.1,8.255 r1.994
  circle w0.013: c5.112,0 r0.851
  circle w0.013: c6.858,0 r0.851
  circle w0.013: c3.842,2.54 r0.749
  circle w0.013: c15.748,2.54 r0.749
  circle w0.013: c17.018,0 r0.851
  circle w0.013: c11.938,0 r1.994
  circle w0.013: c9.398,5.08 r0.749
  circle w0.013: c-2.508,5.08 r0.749
  circle w0.013: c0.032,0 r1.994
  circle w0.013: c-5.048,0 r0.851
  circle w0.013: c-57.15,8.255 r1.994
  circle w0.013: c-57.15,-6.985 r1.524

## Text inside footprints (layer, text, board x,y; h text height)
CON301: Mechanical 16 "connector edge" at -148.207,116.17 h1 r180